# Altium PCB MCH_MAIN.PCBDOC (part 1 of 14) (continued)
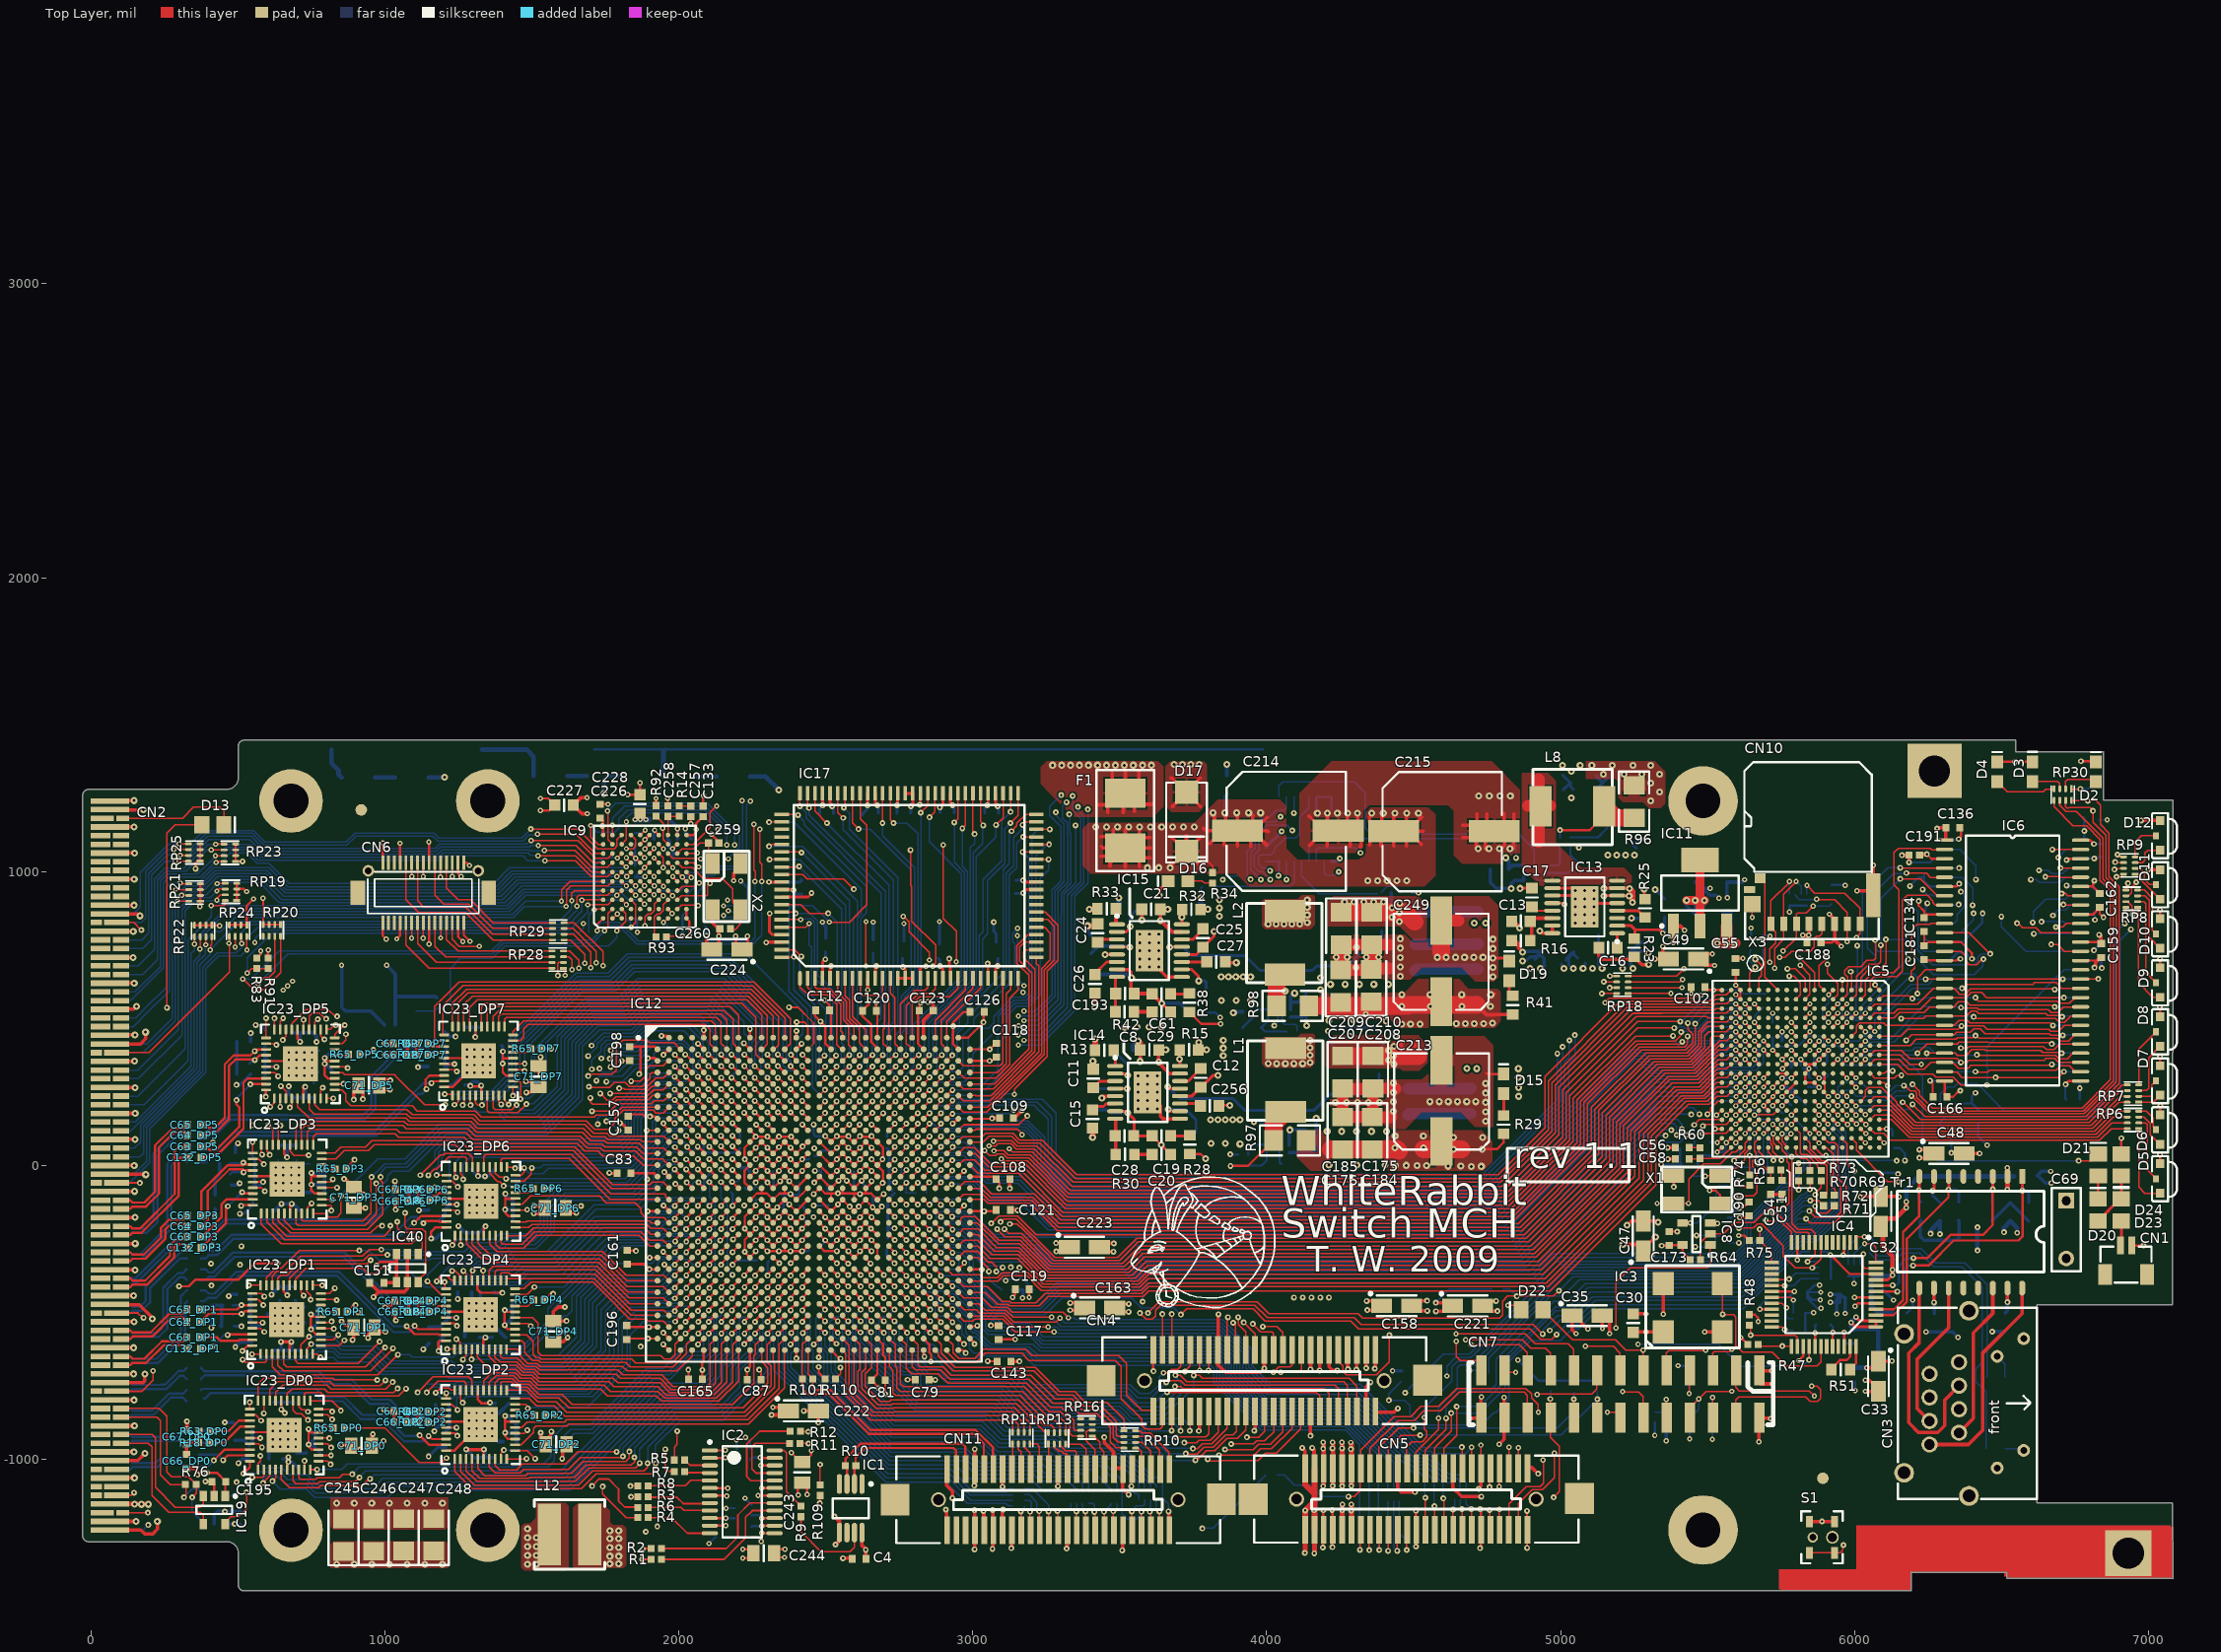
[diagram p0: Top Layer view]
## Components (designator, comment, footprint, x,y, rotation, side; value= is the part's Value field where it differs from the comment)
C1 "100n" CAPC1005X55N#1 2197,-982.1 r90 bottom
C2 "1n" CAPC1005X55N#1 2247,-1247.1 r90 bottom
C3 "100n" CAPC1005X55N#1 2191,-1183.1 r90 bottom
C4 "100n" CAPC1005X55N#2 2613,-1338.1 r0 top
C5 "1n" CAPC1005X55N#1 2247,-1172.1 r270 bottom
C6 "100n" CAPC1005X55N#1 2243,-982.1 r90 bottom
C7 "1n" CAPC1005X55N#1 2127,-1247.1 r90 bottom
C8 "100n" CAPC1608X87N 3601.25,393.22 r180 top
C9 "100n" CAPC1608X87N 5158,1115.9 r90 bottom
C10 "100p" CAPC1608X87N 3736.66,393.3 r0 bottom
C11 "100n" CAPC1608X87N 3409.66,296.3 r270 top
C12 "100n" CAPC1608X87N 3775.66,298.3 r270 top
C13 "100n" CAPC1608X87N 4865,830.9 r0 top
C14 "2.2n" CAPC1608X87N 5287,875.9 r90 bottom
C15 "22n" CAPC1608X87N 3407.66,158.3 r90 top
C16 "33n" CAPC1608X87N 5161.37,740.59 r0 top
C17 "1u x7r" CAPC1608X87N 4902.11,912.12 r270 top
C19 "390p" CAPC1608X87N 3642,100.9 r0 top
C20 "220p" CAPC1608X87N 3642,37.9 r180 top
C21 "100n" CAPC1608X87N 3606.77,872.08 r180 top locked
C22 "100p" CAPC1608X87N 3743.77,876.99 r0 bottom locked
C23 "100n" CAPC1608X87N 3865,1294.9 r270 bottom
C24 "100n" CAPC1608X87N 3425,790.9 r270 top
C25 "100n" CAPC1608X87N 3783,773.9 r270 top
C26 "68n" CAPC1608X87N 3415.77,618.08 r90 top
C27 "100n" CAPC1608X87N 3828,692.9 r0 top
C28 "15p" CAPC1608X87N 3516,100.9 r180 top
C29 "220p" CAPC1608X87N 3642,521.9 r180 top
C30 "100n" CAPC1608X87N 5247,-536.1 r270 top
C31 "100n" CAPC1608X87N 6530,-158.1 r270 bottom
C32 "22u/6.3V" CAPMP3216X180N 6089,-156.1 r90 top
C33 "22u/6.3V" CAPMP3216X180N 6081,-717.1 r270 top
C34 "100n" CAPC1005X55N#2 6153,-503.1 r180 bottom
C35 "22u/6.3V" CAPMP3216X180N 5090,-511.1 r0 top
C36 "100n" CAPC1005X55N#2 6002,-711.1 r270 bottom
C37 "100n" CAPC1005X55N#2 5998,-582.1 r270 bottom
C38 "100n" CAPC1005X55N#2 5864.2,-291 r0 bottom
C39 "100n" CAPC1005X55N#2 6095,-397.1 r270 bottom
C40 "100n" CAPC1005X55N#2 5893,-540.1 r0 bottom
C41 "100n" CAPC1005X55N#2 5730,-449.1 r180 bottom
C42 "100n" CAPC1608X87N 6386,-248.1 r180 bottom
C43 "100n" CAPC1005X55N#2 5716.89,456.23 r270 bottom
C44 "100n" CAPC1005X55N#2 5752.61,400.91 r270 bottom
C45 "100n" CAPC1005X55N#2 5824.61,297.91 r180 bottom
C46 "100n" CAPC1005X55N#2 5815.61,260.91 r180 bottom
C47 "22u/6.3V" CAPMP3216X180N 5281,-240.1 r90 top
C48 "22u/6.3V" CAPMP3216X180N 6321,40.9 r0 top
C49 "22u/6.3V" CAPMP3216X180N 5417.89,702.39 r180 top
C50 "100n" CAPC1005X55N#2 5808.61,204.91 r0 bottom
C51 "4.7n" CAPC1005X55N#2 5753,-74.1 r90 top
C52 "100n" CAPC1005X55N#2 5847,331.9 r0 bottom
C53 "100n" CAPC1005X55N#2 5731,176.9 r0 bottom
C54 "470p" CAPC1005X55N#2 5714.42,-74.61 r90 top
C55 "100n" CAPC1005X55N#2 5595,680.9 r270 top
C56 "10n" CAPC1005X55N#2 5414,60.9 r0 top
C57 "100n" CAPC1005X55N#2 5506.89,56.39 r270 bottom
C58 "1n" CAPC1005X55N#2 5414,21.9 r0 top
C59 "1n" CAPC1005X55N#2 5584.89,43.39 r180 bottom
C60 "100n" CAPC1005X55N#2 5761.61,333.91 r180 bottom
C61 "390p" CAPC1608X87N 3642,583.9 r0 top
C62 "22p" CAPC1005X55N#2 5427,-36.1 r0 bottom
C63_DP0 "22n" CAPC1005X55N#2 343.4,-983.7 r180 bottom (schematic designator C63)
C63_DP1 "22n" CAPC1005X55N#2 349.8,-584.9 r180 top (schematic designator C63)
C63_DP2 "22n" CAPC1005X55N#2 350.4,-763.9 r180 bottom (schematic designator C63)
C63_DP3 "22n" CAPC1005X55N#2 352,-242.1 r180 top (schematic designator C63)
C63_DP4 "22n" CAPC1005X55N#2 350.8,-425.3 r180 bottom (schematic designator C63)
C63_DP5 "22n" CAPC1005X55N#2 352,64.9 r180 top (schematic designator C63)
C63_DP6 "22n" CAPC1005X55N#2 351,-280.1 r180 bottom (schematic designator C63)
C63_DP7 "22n" CAPC1005X55N#2 353,51.9 r180 bottom (schematic designator C63)
C64_DP0 "22n" CAPC1005X55N#2 343.4,-943.7 r180 bottom (schematic designator C64)
C64_DP1 "22n" CAPC1005X55N#2 349.8,-531.9 r180 top (schematic designator C64)
C64_DP2 "22n" CAPC1005X55N#2 350.4,-726.9 r180 bottom (schematic designator C64)
C64_DP3 "22n" CAPC1005X55N#2 352,-207.1 r180 top (schematic designator C64)
C64_DP4 "22n" CAPC1005X55N#2 350.2,-389.5 r180 bottom (schematic designator C64)
C64_DP5 "22n" CAPC1005X55N#2 352,102.9 r180 top (schematic designator C64)
C64_DP6 "22n" CAPC1005X55N#2 352,-243.1 r180 bottom (schematic designator C64)
C64_DP7 "22n" CAPC1005X55N#2 353,90.9 r180 bottom (schematic designator C64)
C65_DP0 "22n" CAPC1005X55N#2 344.4,-903.7 r180 bottom (schematic designator C65)
C65_DP1 "22n" CAPC1005X55N#2 349.8,-489.9 r180 top (schematic designator C65)
C65_DP2 "22n" CAPC1005X55N#2 350.4,-687.9 r180 bottom (schematic designator C65)
C65_DP3 "22n" CAPC1005X55N#2 352,-171.1 r180 top (schematic designator C65)
C65_DP4 "22n" CAPC1005X55N#2 350.2,-352.5 r180 bottom (schematic designator C65)
C65_DP5 "22n" CAPC1005X55N#2 352,138.9 r180 top (schematic designator C65)
C65_DP6 "22n" CAPC1005X55N#2 352,-207.1 r180 bottom (schematic designator C65)
C65_DP7 "22n" CAPC1005X55N#2 352,129.9 r180 bottom (schematic designator C65)
C66_DP0 "1n" CAPC1005X55N#2 325.2,-1006.1 r90 top (schematic designator C66)
C66_DP1 "1n" CAPC1005X55N#2 410,-498.1 r90 bottom (schematic designator C66)
C66_DP2 "1n" CAPC1005X55N#2 1054,-873.1 r0 top (schematic designator C66)
C66_DP3 "1n" CAPC1005X55N#2 423,-123.1 r90 bottom (schematic designator C66)
C66_DP4 "1n" CAPC1005X55N#2 1058,-498.1 r0 top (schematic designator C66)
C66_DP5 "1n" CAPC1005X55N#2 520,420.9 r180 bottom (schematic designator C66)
C66_DP6 "1n" CAPC1005X55N#2 1059,-122.1 r0 top (schematic designator C66)
C66_DP7 "1n" CAPC1005X55N#2 1053,376.9 r0 top (schematic designator C66)
C67_DP0 "100n" CAPC1005X55N#2 326.2,-923.1 r270 top (schematic designator C67)
C67_DP1 "100n" CAPC1005X55N#2 469,-547.1 r180 bottom (schematic designator C67)
C67_DP2 "100n" CAPC1005X55N#2 1055,-836.1 r0 top (schematic designator C67)
C67_DP3 "100n" CAPC1005X55N#2 455,-66.1 r180 bottom (schematic designator C67)
C67_DP4 "100n" CAPC1005X55N#2 1058,-460.1 r0 top (schematic designator C67)
C67_DP5 "100n" CAPC1005X55N#2 520,310.9 r180 bottom (schematic designator C67)
C67_DP6 "100n" CAPC1005X55N#2 1059,-82.1 r0 top (schematic designator C67)
C67_DP7 "100n" CAPC1005X55N#2 1053,414.9 r0 top (schematic designator C67)
C68_DP0 "10n" CAPC1005X55N#2 701,-1002.1 r270 bottom (schematic designator C68)
C68_DP1 "10n" CAPC1005X55N#2 711,-605.1 r270 bottom (schematic designator C68)
C68_DP2 "10n" CAPC1005X55N#2 1365,-970.1 r270 bottom (schematic designator C68)
C68_DP3 "10n" CAPC1005X55N#2 773,-93.1 r0 bottom (schematic designator C68)
C68_DP4 "10n" CAPC1005X55N#2 1388,-585.1 r180 bottom (schematic designator C68)
C68_DP5 "10n" CAPC1005X55N#2 701,254.9 r270 bottom (schematic designator C68)
C68_DP6 "10n" CAPC1005X55N#2 1320,-205.1 r270 bottom (schematic designator C68)
C68_DP7 "10n" CAPC1005X55N#2 1334,285.9 r180 bottom (schematic designator C68)
C69 "100n/100V MKT" CAPR500-250X720X650 6720,-218.1 r270 top
C70_DP0 "10n" CAPC1005X55N#2 622,-830.1 r90 bottom (schematic designator C70)
C70_DP1 "10n" CAPC1005X55N#2 642,-437.1 r90 bottom (schematic designator C70)
C70_DP2 "10n" CAPC1005X55N#2 1318,-809.1 r0 bottom (schematic designator C70)
C70_DP3 "10n" CAPC1005X55N#2 638,44.9 r90 bottom (schematic designator C70)
C70_DP4 "10n" CAPC1005X55N#2 1272,-431.1 r180 bottom (schematic designator C70)
C70_DP5 "10n" CAPC1005X55N#2 684,427.9 r90 bottom (schematic designator C70)
C70_DP6 "10n" CAPC1005X55N#2 1295,-37.1 r90 bottom (schematic designator C70)
C70_DP7 "10n" CAPC1005X55N#2 1275,446.9 r90 bottom (schematic designator C70)
C71_DP0 "22u X7R" CAPC2012X135N 921,-954.1 r180 top (schematic designator C71)
C71_DP1 "22u X7R" CAPC2012X135N 930,-551.1 r180 top (schematic designator C71)
C71_DP2 "22u X7R" CAPC2012X135N 1583,-948.1 r180 top (schematic designator C71)
C71_DP3 "22u X7R" CAPC2012X135N 895,-109.1 r90 top (schematic designator C71)
C71_DP4 "22u X7R" CAPC2012X135N 1573.4,-564.5 r90 top (schematic designator C71)
C71_DP5 "22u X7R" CAPC2012X135N 946,272.9 r0 top (schematic designator C71)
C71_DP6 "22u X7R" CAPC2012X135N 1580.4,-144.5 r180 top (schematic designator C71)
C71_DP7 "22u X7R" CAPC2012X135N 1523,302.9 r90 top (schematic designator C71)
C72 "100n" CAPC1608X87N 6592,-35.1 r0 bottom
C73 "100n" CAPC1608X87N 6290,-157.1 r270 bottom
C74_DP0 "100n" CAPC1005X55N#2 745,-923.1 r0 bottom (schematic designator C74)
C74_DP1 "100n" CAPC1005X55N#2 750,-481.1 r0 bottom (schematic designator C74)
C74_DP2 "100n" CAPC1005X55N#2 1423,-880.1 r0 bottom (schematic designator C74)
C74_DP3 "100n" CAPC1005X55N#2 771,4.9 r0 bottom (schematic designator C74)
C74_DP4 "100n" CAPC1005X55N#2 1411,-466.1 r0 bottom (schematic designator C74)
C74_DP5 "100n" CAPC1005X55N#2 798,316.9 r0 bottom (schematic designator C74)
C74_DP6 "100n" CAPC1005X55N#2 1412,-124.1 r0 bottom (schematic designator C74)
C74_DP7 "100n" CAPC1005X55N#2 1391,340.9 r90 bottom (schematic designator C74)
C75_DP0 "10n" CAPC1005X55N#2 539,-975.1 r90 bottom (schematic designator C75)
C75_DP1 "10n" CAPC1005X55N#2 520,-439.1 r0 bottom (schematic designator C75)
C75_DP2 "10n" CAPC1005X55N#2 1196,-813.1 r0 bottom (schematic designator C75)
C75_DP3 "10n" CAPC1005X55N#2 515,44.9 r0 bottom (schematic designator C75)
C75_DP4 "10n" CAPC1005X55N#2 1199,-560.1 r90 bottom (schematic designator C75)
C75_DP5 "10n" CAPC1005X55N#2 592.99,284.48 r90 bottom (schematic designator C75)
C75_DP6 "10n" CAPC1005X55N#2 1187,-211.1 r90 bottom (schematic designator C75)
C75_DP7 "10n" CAPC1005X55N#2 1204,430.9 r270 bottom (schematic designator C75)
C76_DP0 "100n" CAPC1005X55N#2 573,-898.1 r180 bottom (schematic designator C76)
C76_DP1 "100n" CAPC1005X55N#2 577,-505.1 r180 bottom (schematic designator C76)
C76_DP2 "100n" CAPC1005X55N#2 1235,-862.1 r180 bottom (schematic designator C76)
C76_DP3 "100n" CAPC1005X55N#2 582,-26.1 r180 bottom (schematic designator C76)
C76_DP4 "100n" CAPC1005X55N#2 1238,-488.1 r180 bottom (schematic designator C76)
C76_DP5 "100n" CAPC1005X55N#2 622,363.9 r180 bottom (schematic designator C76)
C76_DP6 "100n" CAPC1005X55N#2 1243,-107.1 r180 bottom (schematic designator C76)
C76_DP7 "100n" CAPC1005X55N#2 1233,375.9 r180 bottom (schematic designator C76)
C77 "100n" CAPC1005X55N#2 2400.13,79.02 r90 bottom
C78 "100n" CAPC1005X55N#2 2674.13,-274.98 r90 bottom
C79 "100n" CAPC1005X55N#2 2827.93,-728.98 r0 top
C80 "100n" CAPC1005X55N#2 2596.13,81.02 r270 bottom
C81 "100n" CAPC1005X55N#2 2679,-730.1 r0 top
C82 "100n" CAPC1005X55N#2 2673.13,81.02 r270 bottom
C83 "100n" CAPC1005X55N#2 1813.4,-26.5 r180 top
C84 "10u" CAPC2012X135N 2462.13,67.02 r270 bottom
C85 "100n" CAPC1005X55N#2 2242.13,2.02 r90 bottom
C86 "10u" CAPC2012X135N 2307.13,-97.98 r180 bottom
C87 "10n" CAPC1005X55N#2 2256.4,-728.5 r0 top
C88 "10u" CAPC2012X135N 2619.13,-97.98 r180 bottom
C89 "100n" CAPC1005X55N#2 2400.13,1.02 r90 bottom
C90 "10u" CAPC2012X135N 2465.13,-247.98 r270 bottom
C91 "1n" CAPC1005X55N#2 2365.4,276.5 r270 bottom
C92 "10n" CAPC1608X87N 4792,1007.9 r180 bottom
C93 "100n" CAPC1005X55N#2 2321.13,-195.98 r270 bottom
C94 "10n" CAPC1608X87N 4132,89.9 r90 bottom
C95 "10n" CAPC1608X87N 4134,550.9 r90 bottom
C96 "100n" CAPC1005X55N#2 2399.13,-274.98 r270 bottom
C97 "100n" CAPC1005X55N#2 2518.13,-195.98 r90 bottom
C98 "22p" CAPC1005X55N#2 5384,-129.1 r0 bottom
C99 "100n" CAPC1005X55N#2 5905.61,326.91 r270 bottom
C100 "15p" CAPC1005X55N#2 5647,757.9 r270 bottom
C101 "100n" CAPC1005X55N#2 2518.13,2.02 r270 bottom
C102 "100n" CAPC1005X55N#2 5467.61,606.91 r0 top
C103 "100n" CAPC1005X55N#2 2242.13,-195.98 r270 bottom
C104 "100n" CAPC1005X55N#2 6136,82.9 r90 bottom
C105 "1n" CAPC1005X55N#2 2703.13,150.02 r315 bottom
C106 "15p" CAPC1005X55N#2 5686,757.9 r270 bottom
C107 "1n" CAPC1005X55N#2 2215.13,-341.98 r135 bottom
C108 "100n" CAPC1005X55N#2 3103,-46.1 r0 top
C109 "100n" CAPC1005X55N#2 3115,161.9 r0 top
C110 "100n" CAPC1005X55N#2 2801.13,278.02 r270 bottom
C111 "10n" CAPC1005X55N#2 2709.13,278.02 r270 bottom
C112 "1n" CAPC1005X55N#2 2489.13,528.02 r180 top
C113 "100n" CAPC1005X55N#2 2832.13,-29.98 r180 bottom
C114 "10n" CAPC1005X55N#2 2831.13,-281.98 r180 bottom
C115 "1n" CAPC1005X55N#2 2214.13,148.02 r225 bottom
C116 "1n" CAPC1005X55N#2 2702.13,-339.98 r45 bottom
C117 "100n" CAPC1005X55N#2 3088,-568.1 r90 top
C118 "100n" CAPC1005X55N#2 3080.13,392.02 r270 top
C119 "100n" CAPC1005X55N#2 3168,-421.1 r0 top
C120 "10n" CAPC1005X55N#2 2648.4,526.5 r180 top
C121 "1n" CAPC1005X55N#2 3104,-151.1 r0 top
C122 "10n" CAPC1005X55N#2 2320.13,2.02 r270 bottom
C123 "100n" CAPC1005X55N#2 2842.4,527.5 r180 top
C124 "10n" CAPC1005X55N#2 2242.13,-273.98 r90 bottom
C125 "10n" CAPC1005X55N#2 2596.13,-273.98 r270 bottom
C126 "100n" CAPC1005X55N#2 3015.13,523.02 r180 top
C127 "10n" CAPC1005X55N#2 2673.13,2.02 r90 bottom
C128 "10n" CAPC1005X55N#2 2596.13,3.02 r90 bottom
C129 "100n" CAPC1005X55N#2 2831.13,-160.98 r180 bottom
C130 "10n" CAPC1005X55N#2 2217.13,-96.98 r270 bottom
C131 "10n" CAPC1005X55N#2 2518.13,-273.98 r270 bottom
C132_DP0 "22n" CAPC1005X55N#2 343.4,-1023.3 r180 bottom (schematic designator C132)
C132_DP1 "22n" CAPC1005X55N#2 349.8,-622.9 r180 top (schematic designator C132)
C132_DP2 "22n" CAPC1005X55N#2 350.4,-802.9 r180 bottom (schematic designator C132)
C132_DP3 "22n" CAPC1005X55N#2 352,-280.1 r180 top (schematic designator C132)
C132_DP4 "22n" CAPC1005X55N#2 350.8,-461.3 r180 bottom (schematic designator C132)
C132_DP5 "22n" CAPC1005X55N#2 352,26.9 r180 top (schematic designator C132)
C132_DP6 "22n" CAPC1005X55N#2 351,-316.1 r180 bottom (schematic designator C132)
C132_DP7 "22n" CAPC1005X55N#2 352,10.9 r180 bottom (schematic designator C132)
C133 "100n" CAPC1005X55N#1 2083,1204.9 r270 top
C134 "100n" CAPC1005X55N#2 6235.73,819.58 r270 top
C135 "10n" CAPC1005X55N#2 2833.13,114.02 r180 bottom
C136 "100n" CAPC1005X55N#2 6333.73,1149.58 r180 top
C137 "10n" CAPC1005X55N#2 2399.13,-195.98 r90 bottom
C138 "1n" CAPC1005X55N#2 2552.13,277.02 r270 bottom
C139 "10n" CAPC1005X55N#2 2243.13,80.02 r270 bottom
C140 "10u" CAPC1608X87N 5029,1028.9 r180 bottom
C141 "100n" CAPC1005X55N#2 2116.13,-470.98 r90 bottom
C142 "100n" CAPC1005X55N#2 2084.4,-28.5 r0 bottom
C143 "100n" CAPC1005X55N#2 3106,-666.1 r0 top
C144 "10n" CAPC1005X55N#2 2208.4,277.5 r270 bottom
C145 "1n" CAPC1005X55N#2 2078,-165.1 r0 bottom
C146 "1n" CAPC1005X55N#2 2321.13,-274.98 r90 bottom
C147 "1n" CAPC1005X55N#2 2596.13,-195.98 r270 bottom
C148 "100n" CAPC1005X55N#2 6420,166.9 r270 bottom
C149 "100n" CAPC1005X55N#2 6833.73,900.58 r270 bottom
C150 "100n" CAPC1005X55N#2 6838.73,731.58 r270 bottom
C151 "100n" CAPC1005X55N#2 973,-399.1 r0 top
C152 "1n" CAPC1005X55N#2 2518.13,80.02 r90 bottom
C153 "1n" CAPC1005X55N#2 2320.13,81.02 r270 bottom
C154 "100n" CAPC1005X55N#2 2209.13,-471.98 r90 bottom
C155 "100n" CAPC1005X55N#2 2116.4,279.5 r270 bottom
C156 "100n" CAPC1005X55N#2 2080,-309.1 r0 bottom
C157 "10n" CAPC1005X55N#2 1828.4,144.5 r270 top
C158 "22u/6.3V" CAPMP3216X180N 4442,-477.1 r0 top
C159 "100n" CAPC1005X55N#2 6838.73,731.58 r90 top
C160 "1n" CAPC1005X55N#2 2367.13,-472.98 r90 bottom
C161 "100n" CAPC1005X55N#2 1824.4,-312.5 r90 top
C162 "100n" CAPC1005X55N#2 6833.73,901.58 r90 top
C163 "22u/6.3V" CAPMP3216X180N 3432,-484.5 r0 top
C164 "100n" CAPC1005X55N#2 2827.13,-471.98 r90 bottom
C165 "10n" CAPC1005X55N#2 2056.4,-726.5 r180 top
C166 "100n" CAPC1005X55N#2 6290,233.9 r0 top
C167 "100n" CAPC1005X55N#2 6236,1007.9 r270 bottom
C168 "22u X7R" CC3216-1206 4989,727.9 r180 bottom
C169 "22u X7R" CC3216-1206 5458,908.9 r270 bottom
C170 "22u X7R" CC3216-1206 5246,1145.9 r90 bottom
C171 "22u X7R" CC3216-1206 5088,1301.9 r0 bottom
C172 "100n" CAPC1005X55N#2 6242.73,794.58 r270 bottom
C173 "100n" CAPC1005X55N#2 5369,-248.1 r270 top
C174 "1n" CAPC1005X55N#2 2683.13,-469.98 r90 bottom
C175 "22u X7R" CC3216-1206 4361.47,317.44 r270 top locked
C176 "22u X7R" CC3216-1206 4258.47,317.44 r270 top locked
C177 "22u X7R" CC3216-1206 4483.35,318.17 r270 bottom locked
C178 "22u X7R" CC3216-1206 4691.09,316.55 r270 bottom locked
C179 "22u X7R" CC3216-1206 4586.09,316.55 r270 bottom locked
C180 "100n" CAPC1005X55N#2 6845.73,1069.58 r270 bottom
C181 "100n" CAPC1005X55N#2 6236.73,723.58 r270 top
C182 "100n" CAPC1005X55N#2 6804,1175.9 r180 bottom
C183 "22u X7R" CC3216-1206 4688.97,110.46 r270 bottom locked
C184 "22u X7R" CC3216-1206 4359.07,109.64 r270 top locked
C185 "22u X7R" CC3216-1206 4258.07,109.64 r270 top locked
C186 "22u X7R" CC3216-1206 4483.27,109.63 r270 bottom locked
C187 "22u X7R" CC3216-1206 4585.27,109.63 r270 bottom locked
C188 "100n" CAPC1005X55N#2 5862,757.9 r180 top
C189 "100n" CAPC1005X55N#2 6743,224.9 r0 bottom
C190 "100n" CAPC1005X55N#2 5641,-148.1 r270 top
C191 "100n" CAPC1005X55N#1 6203,1055.9 r0 top
C192 "100n" CAPC1005X55N#1 1852,1113.9 r270 bottom
C193 "15p" CAPC1608X87N 3518,584.9 r180 top
C194 "100n" CAPC1005X55N#2 510,-1200.1 r270 bottom
C195 "100n" CAPC1005X55N#2 436,-1076.1 r0 top
C196 "100n" CAPC1005X55N#2 1823.13,-567.98 r90 top
C197 "100n" CAPC1005X55N#2 3061,1196.9 r0 bottom
C198 "100n" CAPC1005X55N#2 1833.4,380.5 r270 top
C199 "100n" CAPC1005X55N#2 3079.4,735.5 r270 bottom
C200 "10n" CAPC1005X55N#2 2526.13,-470.98 r90 bottom
C201 "22u X7R" CC3216-1206 4505.2,608.4 r270 bottom locked
C202 "22u X7R" CC3216-1206 4608.2,612.08 r270 bottom locked
C203 "22u X7R" CC3216-1206 4506.2,808.08 r90 bottom locked
C204 "22u X7R" CC3216-1206 4718.2,808.77 r90 bottom locked
C205 "22u X7R" CC3216-1206 4609.2,807.77 r90 bottom locked
C206 "100n" CAPC1005X55N#2 2500.4,750.5 r270 bottom
C207 "22u X7R" CC3216-1206 4251.89,610.11 r90 top locked
C208 "22u X7R" CC3216-1206 4356.89,806.11 r270 top locked
C209 "22u X7R" CC3216-1206 4355.89,612.11 r90 top locked
C210 "22u X7R" CC3216-1206 4252.89,806.11 r270 top locked
C211 "22u X7R" CC3216-1206 4718.2,612.77 r90 bottom locked
C212 "100n" CAPC1005X55N#2 2912.13,1197.02 r180 bottom
C213 "220u/6.3V 6SVP220MX" OSCON_E7 4595.04,219.76 r90 top locked
C214 "330u/16V 16SVP330M" OSCON_F12 4072,1138.9 r0 top
C215 "330u/16V 16SVP330M" OSCON_F12 4603,1137.9 r0 top
C216 "100n" CAPC1005X55N#2 2645.4,1192.5 r0 bottom
C217 "100n" CAPC1005X55N#2 2766.4,738.5 r270 bottom
C218 "1n" CAPC1005X55N#2 2084.4,115.5 r0 bottom
C219 "100n" CAPC1005X55N#2 2661.4,745.5 r270 bottom
C220 "100n" CAPC1005X55N#2 2886.4,729.5 r270 bottom
C221 "22u/6.3V" CAPMP3216X180N 4683.4,-477.6 r0 top
C222 "22u/6.3V" CAPMP3216X180N 2424,-835.1 r0 top
C223 "22u/6.3V" CAPMP3216X180N 3380,-278.1 r0 top
C224 "22u/6.3V" CAPMP3216X180N 2164,734.9 r180 top
C225 "100n" CAPC1005X55N#2 1852,1003.9 r90 bottom
C226 "100n" CAPC1005X55N#2 1732,1205.9 r270 top
C227 "10u X5R" CAPC1608X87N 1610,1225.9 r180 top
C228 "10u X5R" CAPC1608X87N 1868,1229.9 r270 top
C229 "100n" CAPC1005X55N#2 2766.13,1196.02 r0 bottom
C230 "100n" CAPC1005X55N#2 3148.13,948.02 r90 bottom
C231 "100n" CAPC1005X55N#2 2503.13,1196.02 r180 bottom
C232 "100n" CAPC1005X55N#2 2418.13,946.02 r270 bottom
C233 "100n" CAPC1005X55N#2 2068,809.9 r180 bottom
C234 "100n" CAPC1005X55N#2 1939,1110.9 r180 bottom
C235 "100n" CAPC1005X55N#2 1989,809.9 r180 bottom
C236 "100n" CAPC1005X55N#2 1957,1045.9 r180 bottom
C237 "100n" CAPC1005X55N#2 2019,1110.9 r180 bottom
C238 "100n" CAPC1005X55N#2 4401,455.9 r180 bottom
C239 "100n" CAPC1005X55N#2 2460.13,-17.98 r0 bottom
C240 "100n" CAPC1005X55N#2 2674.13,-196.98 r90 bottom
C241 "10u" CAPC1608X87N 4019,4.9 r180 bottom
C242 "10u" CAPC1608X87N 3950,468.9 r0 bottom
C243 "22u X7R" CAPC2012X135N 2420,-1044.1 r90 top
C244 "22u X7R" CAPC2012X135N 2289,-1319.1 r180 top
C245 "22u X7R" CC3216-1206 859.9,-1257.6 r90 top
C246 "22u X7R" CC3216-1206 962.61,-1257.08 r90 top
C247 "22u X7R" CC3216-1206 1064.9,-1256.6 r90 top
C248 "22u X7R" CC3216-1206 1166.9,-1256.6 r90 top
C249 "220u/6.3V 6SVP220MX" OSCON_E7 4593.59,695.08 r90 top locked
C250_DP0 "10n" CAPC1005X55N#2 757,-977.1 r0 bottom (schematic designator C250)
C250_DP1 "10n" CAPC1005X55N#2 750,-532.1 r0 bottom (schematic designator C250)
C250_DP2 "10n" CAPC1005X55N#2 1426,-939.1 r0 bottom (schematic designator C250)
C250_DP3 "10n" CAPC1005X55N#2 711,-129.1 r270 bottom (schematic designator C250)
C250_DP4 "10n" CAPC1005X55N#2 1411,-518.1 r0 bottom (schematic designator C250)
C250_DP5 "10n" CAPC1005X55N#2 759,255.9 r270 bottom (schematic designator C250)
C250_DP6 "10n" CAPC1005X55N#2 1412,-182.1 r0 bottom (schematic designator C250)
C250_DP7 "10n" CAPC1005X55N#2 1398,431.9 r270 bottom (schematic designator C250)
C251_DP0 "100n" CAPC1005X55N#2 629,-999.1 r0 bottom (schematic designator C251)
C251_DP1 "100n" CAPC1005X55N#2 619,-605.1 r270 bottom (schematic designator C251)
C251_DP2 "100n" CAPC1005X55N#2 1308,-970.1 r270 bottom (schematic designator C251)
C251_DP3 "100n" CAPC1005X55N#2 618,-130.1 r270 bottom (schematic designator C251)
C251_DP4 "100n" CAPC1005X55N#2 1296,-583.1 r0 bottom (schematic designator C251)
C251_DP5 "100n" CAPC1005X55N#2 800,391.9 r0 bottom (schematic designator C251)
C251_DP6 "100n" CAPC1005X55N#2 1283,-206.1 r270 bottom (schematic designator C251)
C251_DP7 "100n" CAPC1005X55N#2 1249,273.9 r0 bottom (schematic designator C251)
C252_DP0 "100n" CAPC1005X55N#2 689,-830.1 r90 bottom (schematic designator C252)
C252_DP1 "100n" CAPC1005X55N#2 696,-436.1 r90 bottom (schematic designator C252)
C252_DP2 "100n" CAPC1005X55N#2 1399,-809.1 r180 bottom (schematic designator C252)
C252_DP3 "100n" CAPC1005X55N#2 699,43.9 r90 bottom (schematic designator C252)
C252_DP4 "100n" CAPC1005X55N#2 1349,-431.1 r0 bottom (schematic designator C252)
C252_DP5 "100n" CAPC1005X55N#2 740,428.9 r90 bottom (schematic designator C252)
C252_DP6 "100n" CAPC1005X55N#2 1374,-37.1 r90 bottom (schematic designator C252)
C252_DP7 "100n" CAPC1005X55N#2 1337,446.9 r90 bottom (schematic designator C252)
C253 "22u X7R" CC3216-1206 5566,908.71 r270 bottom
C254 "100n" CAPC1005X55N#1 1018,477.9 r180 bottom
C255 "22u X7R" CC3216-1206 5185.19,727.9 r0 bottom
C256 "100n" CAPC1608X87N 3806,202.9 r0 top
C257 "10n" CAPC1005X55N#1 2041,1204.9 r90 top
C258 "1n" CAPC1005X55N#1 1963,1205.9 r270 top
C259 "22p" CAPC1005X55N#1 2119,1096.9 r180 top
C260 "22p" CAPC1005X55N#1 2158,805.9 r0 top
CN1 "BM02B" SH_CRIMP_1MM_2 6943,-272.1 r180 top
CN2 "UTCA_MCH_TONGUE1" UTCA_MCH_TONGUE1 -27.55,-0.02 r0 top
CN3 "Tyco  1888250-1" TYCO_ETHERNET_1888250-1 6575,-809.1 r90 top locked
CN4 "JAE KX15-50p" JAE_KX15_50P 3992,-732.1 r0 top locked
CN5 "JAE KX15-50p" JAE_KX15_50P 4509,-1135.1 r0 top locked
CN6 "DF17(4.0)-30DS-0.5V(57)" DF17-30-SOCKET 1131,927.9 r180 top locked
CN7 "BHMT26S" CONN_HDR_SMD_2mm_2x13 5676,-697.1 r180 top
CN10 "microSD SD_CARD_47309-2651_MOLEX" SD_CARD_47309-2651_MOLEX 5867,769.9 r180 top locked
CN11 "JAE KX15-50p" JAE_KX15_50P 3291,-1137.1 r0 top
D1 "LED red" CD1608-0603 6820,1339.9 r90 bottom
D2 "LED green" CD1608-0603 6820.21,1339.82 r90 top
D3 "LED blue" CD1608-0603 6605,1339.9 r90 top
D4 "LED orange" CD1608-0603 6485.21,1339.82 r90 top
D5 "KPBA-3010" DUOLED_LNJ123 7039,-110.1 r90 top
D6 "KPBA-3010" DUOLED_LNJ123 7039,56.61 r90 top
D7 "KPBA-3010" DUOLED_LNJ123 7039,223.33 r90 top
D8 "KPBA-3010" DUOLED_LNJ123 7039,390.04 r90 top
D9 "KPBA-3010" DUOLED_LNJ123 7039,556.76 r90 top
D10 "KPBA-3010" DUOLED_LNJ123 7039,723.47 r90 top
D11 "KPBA-3010" DUOLED_LNJ123 7039,890.19 r90 top
D12 "KPBA-3010" DUOLED_LNJ123 7039,1056.9 r90 top
D13 "D Schottky" CD2012-0805 415,1158.9 r0 top
D14 "D Schottky *" CD3216-1206 3946.04,400.76 r0 bottom locked
D15 "LED green" CD1608-0603 4806,277.9 r90 top
D16 "LED green" CD1608-0603 3698,966.9 r180 top
D17 "P6SMB15CA" DO-214AA/SMB 3727,1168.9 r270 top
D18 "D Schottky *" CD3216-1206 3934.59,880.99 r0 bottom locked
D19 "LED green" CD1608-0603 4825,661.9 r90 top
D20 "TS4148" CD2012-0805 6828,-151.1 r90 top
D21 "TS4148" CD2012-0805 6829,1.9 r90 top
D22 "TS4148" CD2012-0805 4903,-491.1 r180 top
D23 "TS4148" CD2012-0805 6907,-151.1 r90 top
D24 "TS4148" CD2012-0805 6907,1.9 r270 top
F1 "F_POLYSWITCH" PTC_SMD_1812 3519,1173.9 r270 top
IC1 "MC100EPT21" TSOP65P490-8AN 2585,-1166.1 r270 top
IC2 "CDCVF310PW" TSOP65P640-24AL 2216,-1110.1 r0 top locked
IC3 "CFPS-73 50 MHz" CFPS_73 5349,-401.1 r0 top
IC4 "DM9161AEP" LQFP48l 6072,-549.1 r180 top locked
IC5 "AT91SAM9263-CU" TFBGA324 6084.05,596.84 r270 top locked
IC6 "MT48LC16M16A2TG" TSOP54 6305.85,1106.62 r0 top locked
IC7 "MT48LC16M16A2TG" TSOP54 6765.85,1106.62 r180 bottom locked
IC8 "SN74AHC1G32" SOT23-5AL 5462,-232.94 r180 top
IC9 "AT91SAM9X256-CU" TFBGA100x10 1743,840.9 r90 top locked
IC10 "AT45DB642" TSOP28-1 5569.34,-284.78 r0 bottom locked
IC11 "FAN1112SX" SOT223-4L 5474,926.9 r90 top
IC12 "EP3C120F780C8" FBGA780-2 2459.04,-96.7 r0 top
IC13 "LM20123" eTSSOP_16_MX 5082,879.9 r180 top locked
IC14 "TPS40055" TI_PWP_16 3595,248.9 r0 top locked
IC15 "TPS40055" TI_PWP_16 3601,730.9 r0 top locked
IC17 "GS840Z36" TQFP100A101 2412.33,636.71 r90 top locked
IC18 "DS18B20" SOIC127P600-8AL 1009,599.9 r180 bottom
IC19 "SN65LVDS1" SOT23-5AL 420,-1172.1 r270 top
IC20 "SN65LVDS2" SOT23-5AL 420,-1172.1 r90 bottom
IC21 "INA210" TI_6sc70 4874,969.9 r90 bottom
IC22 "INA210" TI_6sc70 4077,95.9 r270 bottom
IC23_DP0 "TLK1221" QFN40_powerpad 791.81,-1051.18 r90 top locked (schematic designator IC23)
IC23_DP1 "TLK1221" QFN40_powerpad 800,-658.1 r90 top locked (schematic designator IC23)
IC23_DP2 "TLK1221" QFN40_powerpad 1460,-1015.1 r90 top locked (schematic designator IC23)
IC23_DP3 "TLK1221" QFN40_powerpad 802,-180.1 r90 top locked (schematic designator IC23)
IC23_DP4 "TLK1221" QFN40_powerpad 1459.61,-641.58 r90 top locked (schematic designator IC23)
IC23_DP5 "TLK1221" QFN40_powerpad 846.81,211.82 r90 top locked (schematic designator IC23)
IC23_DP6 "TLK1221" QFN40_powerpad 1461.21,-255.78 r90 top locked (schematic designator IC23)
IC23_DP7 "TLK1221" QFN40_powerpad 1453,221.9 r90 top locked (schematic designator IC23)
IC24 "INA210" TI_6sc70 4081,555.9 r270 bottom
IC39 "TMP100" SOT23A-6L 6329,163.9 r270 bottom
IC40 "TMP100" SOT23A-6L 1077,-349.1 r270 top
IC41 "TMP100" SOT23A-6L 4290,432.9 r0 bottom
IC42 "TMP100" SOT23A-6L 2459.13,-99.98 r0 bottom
L1 "3.3uH/8A IHLP2525CZER3R3M01" IHLP2525 4064.65,290.63 r270 top locked
L2 "3.3uH/8A IHLP2525CZER3R3M01" IHLP2525 4061.79,757.6 r270 top locked
L3 "Inductor" INDC1005-0402 2286.13,-325.98 r180 bottom
L4 "fer.bead" INDC1608-0603 6080,-528.1 r270 bottom
L5_DP0 "Inductor" INDC1608-0603 491,-907.1 r270 bottom (schematic designator L5)
L5_DP1 "Inductor" INDC1608-0603 547,-573.1 r90 bottom (schematic designator L5)
L5_DP2 "Inductor" INDC1608-0603 1214,-930.1 r90 bottom (schematic designator L5)
L5_DP3 "Inductor" INDC1608-0603 551,-97.1 r90 bottom (schematic designator L5)
L5_DP4 "Inductor" INDC1608-0603 1149.98,-576.68 r90 bottom (schematic designator L5)
L5_DP5 "Inductor" INDC1608-0603 592,437.9 r270 bottom (schematic designator L5)
L5_DP6 "Inductor" INDC1608-0603 1177,-151.1 r0 bottom (schematic designator L5)
L5_DP7 "Inductor" INDC1608-0603 1174,336.9 r0 bottom (schematic designator L5)
L6 "Inductor" INDC1005-0402 2208.13,77.02 r90 bottom
L7 "Inductor" INDC1005-0402 2707.13,-267.98 r270 bottom
L8 "0.68uH/10A IHLP2525CZER0R68" IHLP2525 5040,1221.9 r0 top
L9 "fer.bead" INDC1608-0603 5439,5.9 r0 bottom
L10 "Inductor" INDC1005-0402 2708.13,78.02 r90 bottom
L11 "fer.bead" INDC1608-0603 1941.25,1176.9 r0 bottom
L12 "0.47uH/5A 744043" IND_WURTH_744042_MH 1631,-1255.1 r270 top
Q1 "FDS6294" SOIC127P600-8AL 4306.99,215.47 r270 bottom locked
Q2 "FDS6294" SOIC127P600-8AL 3834.66,210.3 r90 bottom locked
Q3 "FDS6294" SOIC127P600-8AL 4315.79,713.51 r270 bottom locked
Q4 "FDS6294" SOIC127P600-8AL 3870.79,699.51 r90 bottom locked
R1 "22" RESC1005X40N 1923,-1340.1 r180 top
R2 "22" RESC1005X40N 1923,-1303.1 r180 top
R3 "22" RESC1005X40N 1878.6,-1127.3 r180 top
R4 "22" RESC1005X40N 1879,-1198.1 r180 top
R5 "22" RESC1005X40N 2003,-1002.1 r180 top
R6 "22" RESC1005X40N 1879,-1163.1 r180 top
R7 "22" RESC1005X40N 2003,-1041.1 r180 top
R8 "22" RESC1005X40N 1878.6,-1089.3 r180 top
R9 "33" RESC1005X40N 2416,-1177.1 r90 top
R10 "100" RESC1005X40N 2585,-1021.1 r180 top
R11 "22" RESC1005X40N 2395,-945.1 r0 top
R12 "22" RESC1005X40N 2396,-904.1 r0 top
R13 "56k" RESC1608X55N 3447.66,392.3 r180 top
R14 "1.5k" RESC1005X40N 2002,1205.9 r270 top
R15 "4.7k" RESC1608X55N 3735.66,393.3 r0 top
R16 "1" RESC1608X55N 4865,764.9 r180 top
R17 "4.99k" RESC1608X55N 5353,875.9 r90 bottom
R18_DP0 "51" RESC1005X40N 385.2,-943.1 r180 top (schematic designator R18)
R18_DP1 "51" RESC1005X40N 465,-509.1 r180 bottom (schematic designator R18)
R18_DP2 "51" RESC1005X40N 1129,-873.1 r180 top (schematic designator R18)
R18_DP3 "51" RESC1005X40N 456,-29.1 r180 bottom (schematic designator R18)
R18_DP4 "51" RESC1005X40N 1133,-498.1 r180 top (schematic designator R18)
R18_DP5 "51" RESC1005X40N 522.06,346.58 r180 bottom (schematic designator R18)
R18_DP6 "51" RESC1005X40N 1134,-119.1 r180 top (schematic designator R18)
R18_DP7 "51" RESC1005X40N 1127,376.9 r180 top (schematic designator R18)
R19 "10k" RESC1005X40N 5424,57.9 r180 bottom
R20 "10k" RESC1608X55N 5923,922.9 r90 bottom
R21 "0" RESC1005X40N 2752.4,-93.5 r0 bottom
R22 "0*" RESC1005X40N 2824.4,-94.5 r180 bottom
R23 "10k" RESC1608X55N 5250,740.9 r270 top
R24 "120k" RESC1608X55N 3515.45,395.21 r180 bottom
R25 "5.76k" RESC1608X55N 5287,874.9 r270 top
R26 "1k" RESC1608X55N 3409.66,295.3 r270 bottom
R27 "100k" RESC1608X55N 3706,37.9 r0 bottom
R28 "7.5k" RESC1608X55N 3739,70.9 r270 top
R29 "220" RESC1608X55N 4806,138.9 r270 top
R30 "200k" RESC1608X55N 3518.04,37.76 r180 top
R31 "39k" RESC1608X55N 3407,156.9 r90 bottom
R32 "4.7k" RESC1608X55N 3743.77,871.08 r0 top locked
R33 "43k" RESC1608X55N 3455.77,873.08 r180 top locked
R34 "1k" RESC1005X40N 3816,978.9 r90 top
R35 "91k" RESC1608X55N 3528.77,877.99 r0 bottom locked
R36 "1k" RESC1608X55N 3403,752.9 r270 bottom
R37 "100k" RESC1608X55N 3768,519.9 r0 bottom
R38 "7.5k" RESC1608X55N 3737,553.9 r270 top
R39 "33" RESC1005X40N 4738,-706.1 r180 bottom
R40 "10k" RESC1005X40N 4459,-716.1 r270 bottom
R41 "330" RESC1608X55N 4837,545.9 r270 top
R42 "200k" RESC1608X55N 3517,522.9 r180 top
R43 "10k" RESC1005X40N 4785,-420.1 r0 bottom
R44 "27k" RESC1608X55N 3416,618.9 r90 bottom
R45 "49.9" RESC1608X55N 6592,-157.1 r270 bottom
R46 "49.9" RESC1608X55N 6468,-156.1 r270 bottom
R47 "10k" RESC1005X40N 5654,-608.1 r0 top
R48 "10k" RESC1005X40N 5641,-525.1 r270 top
R49 "49.9" RESC1608X55N 6226,-156.1 r90 bottom
R50 "49.9" RESC1608X55N 6354,-156.1 r90 bottom
R51 "6.8k" RESC1608X55N 5953,-694.1 r180 top
R52 "75" RESC1608X55N 6271,-535.1 r90 bottom
R53 "75" RESC1608X55N 6513,-533.1 r90 bottom
R54 "470" RESC1608X55N 6479,-963.1 r0 bottom
R55 "470" RESC1608X55N 6479,-721.1 r0 bottom
R56 "2k" RESC1005X40N 5732,-15.1 r180 top
R57 "10k" RESC1005X40N 1838,840.9 r0 bottom
R58 "0*" RESC1005X40N 5699,565.9 r270 bottom
R59 "0*" RESC1005X40N 5359,-856.1 r90 bottom
R60 "1.5k" RESC1005X40N 5474,41.9 r270 top
R61 "3.3k" RESC1005X40N 5125,-750.1 r90 bottom
R62 "3.3k" RESC1005X40N 5045,-748.1 r90 bottom
R63_DP0 "51" RESC1005X40N 386.2,-904.1 r180 top (schematic designator R63)
R63_DP1 "51" RESC1005X40N 466,-476.1 r180 bottom (schematic designator R63)
R63_DP2 "51" RESC1005X40N 1129,-837.1 r180 top (schematic designator R63)
R63_DP3 "51" RESC1005X40N 456,7.9 r180 bottom (schematic designator R63)
R63_DP4 "51" RESC1005X40N 1133,-460.1 r180 top (schematic designator R63)
R63_DP5 "51" RESC1005X40N 522.06,384.58 r180 bottom (schematic designator R63)
R63_DP6 "51" RESC1005X40N 1134,-82.1 r180 top (schematic designator R63)
R63_DP7 "51" RESC1005X40N 1127,414.9 r180 top (schematic designator R63)
R64 "10k" RESC1005X40N 5458,-320.94 r0 top
R65_DP0 "33" RESC1005X40N 843,-893.1 r0 top (schematic designator R65)
R65_DP1 "33" RESC1005X40N 853.2,-497.3 r0 top (schematic designator R65)
R65_DP2 "33" RESC1005X40N 1528.22,-849.56 r0 top (schematic designator R65)
R65_DP3 "33" RESC1005X40N 848.35,-11.68 r0 top (schematic designator R65)
R65_DP4 "33" RESC1005X40N 1524.22,-457.28 r0 top (schematic designator R65)
R65_DP5 "33" RESC1005X40N 895,377.9 r0 top (schematic designator R65)
R65_DP6 "33" RESC1005X40N 1522.2,-78.7 r0 top (schematic designator R65)
R65_DP7 "33" RESC1005X40N 1514,397.9 r0 top (schematic designator R65)
R66 "10k" RESC1005X40N 5509,-277.1 r180 bottom
R67 "0" RESC1005X40N 5509,-241.1 r0 bottom
R68 "22" RESC1005X40N 4016,-1053.1 r0 bottom